# Altium PCB rs422-rs485.PcbDoc (continued)
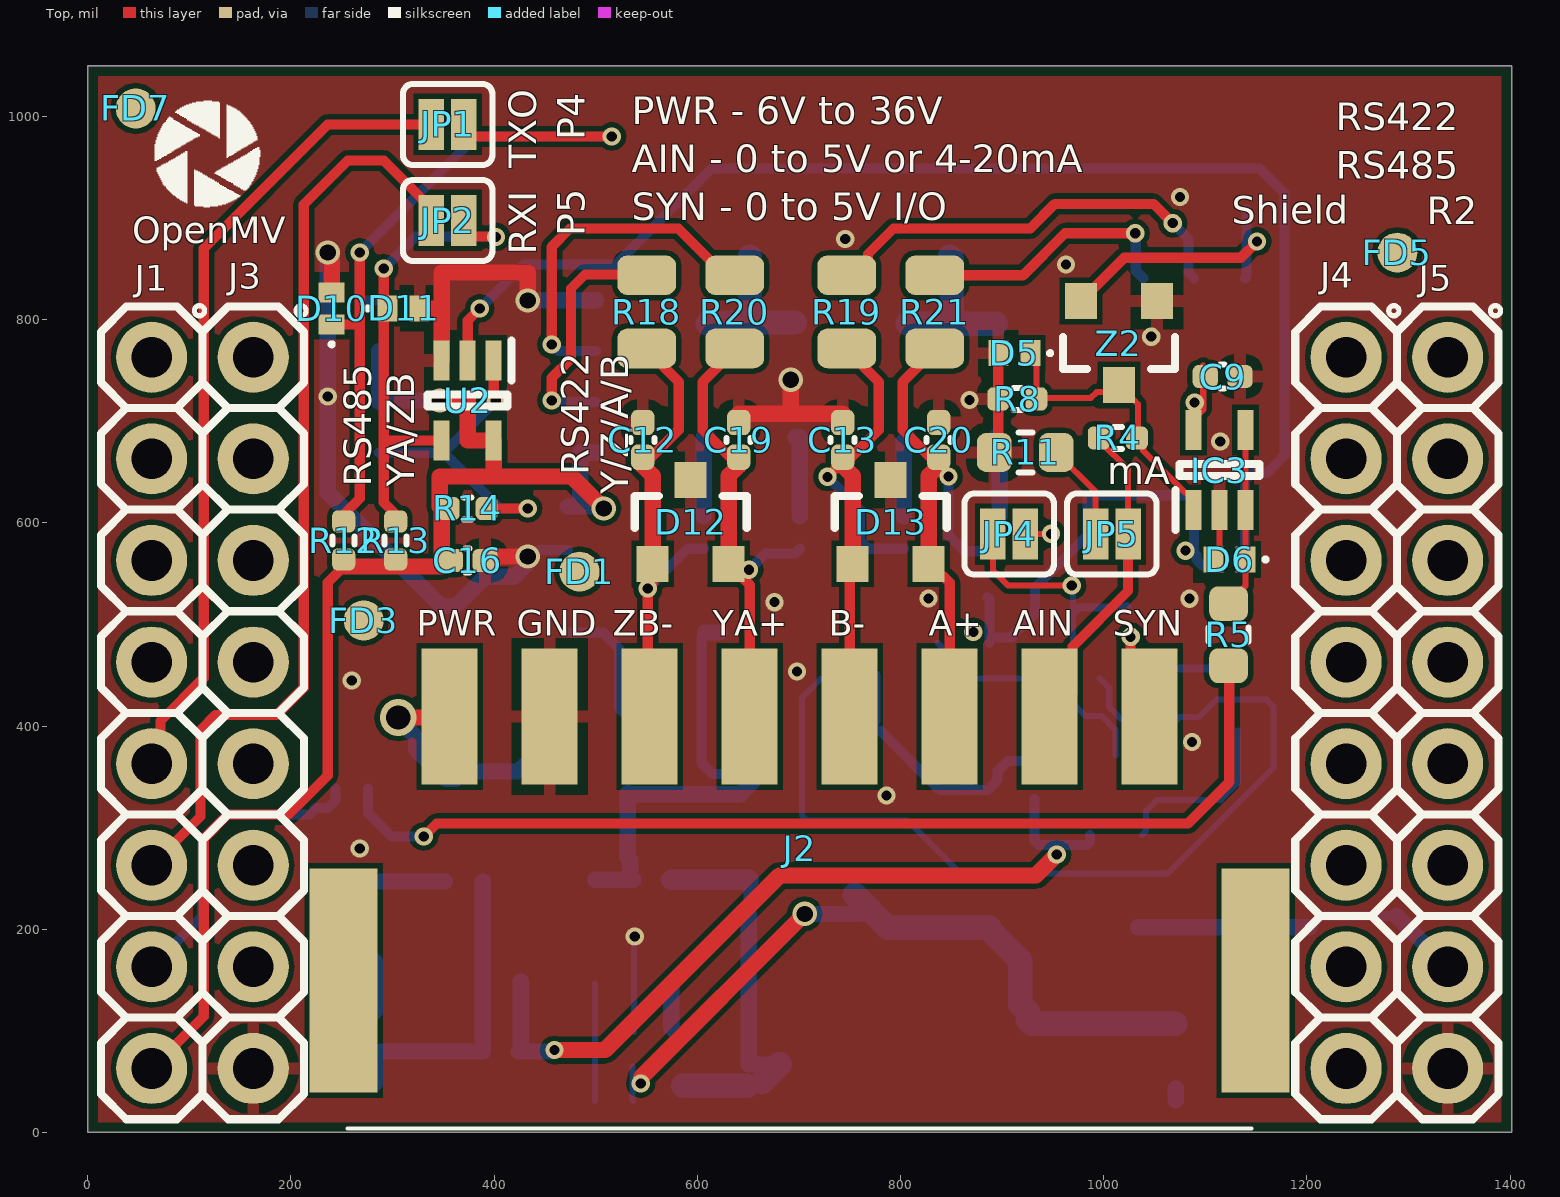
[diagram p0: Top view]
## Components (designator, comment, footprint, x,y, rotation, side; value= is the part's Value field where it differs from the comment)
C1 "0.1uF" 0402-CAP 584.16,67.55 r270 bottom
C2 "100pF" 0402-CAP 519,65 r180 bottom
C3 "22uF" 0805 282.58,83.68 r90 bottom
C4 "22uF" 0805 388.88,79.74 r0 bottom
C5 "10uF" C0805 654,382 r90 bottom
C6 "22uF" 0805 936.87,71.74 r90 bottom
C7 "22uF" 0805 1070.72,71.74 r90 bottom
C8 "22uF" 0805 1003.8,71.74 r90 bottom
C9 "0.1uF" 0402-CAP 1117,744 r180 top
C10 "0.1uF" 0402-CAP 868.66,526.51 r0 bottom
C11 "0.1uF" 0402-CAP 918.87,283 r0 bottom
C12 "100pF" 0402-CAP 546.29,681.72 r270 top
C13 "100pF" 0402-CAP 743.14,681.72 r270 top
C14 "220pF" 0402-CAP 677.17,862.2 r0 bottom
C15 "220pF" 0402-CAP 822.83,862.2 r180 bottom
C16 "0.1uF" 0402-CAP 374.02,562.99 r0 top
C17 "0.1uF" 0402-CAP 1123.54,908.7 r180 bottom
C18 "0.1uF" 0402-CAP 472.44,590.55 r270 bottom
C19 "100pF" 0402-CAP 640.78,681.72 r90 top
C20 "100pF" 0402-CAP 837.63,681.72 r90 top
D1 "FM240A" DIOM5025X231N 953,202 r180 bottom
D2 "CPDQT5V0HE-HF" CPDQT5V0HEHF 227.46,71.87 r270 bottom
D3 "FM240A" DIOM5025X231N 762,67 r0 bottom
D4 "SMAJ40CAE3_TR13" SMAJ40CAE3TR13 362.2,433.07 r270 bottom
D5 "CPDQT5V0HE-HF" CPDQT5V0HEHF 912,767 r180 top
D6 "CPDQT5V0HE-HF" CPDQT5V0HEHF 1124,564 r180 top
D7 "CPDQT5V0HE-HF" CPDQT5V0HEHF 757,403 r180 bottom
D8 "CPDQT5V0HE-HF" CPDQT5V0HEHF 1039,523 r0 bottom
D9 "CPDQT5V0HE-HF" CPDQT5V0HEHF 1081,343 r90 bottom
D10 "CPDQT5V0HE-HF" CPDQT5V0HEHF 240.16,811.02 r90 top
D11 "CPDQT5V0HE-HF" CPDQT5V0HEHF 311.02,811.02 r0 top
D12 "PEC33712C2A_R1_00001" SOT23-3 593.53,599.04 r0 top
D13 "PEC33712C2A_R1_00001" SOT23-3 790.38,599.04 r0 top
FD1 "FIDUCIAL1X2" FIDUCIAL-1X2 484.14,551.95 r0 top
FD2 "FIDUCIAL1X2" FIDUCIAL-1X2 1146.58,125.85 r180 bottom
FD3 "FIDUCIAL1X2" FIDUCIAL-1X2 271.65,503.94 r0 top
FD4 "FIDUCIAL1X2" FIDUCIAL-1X2 271.65,503.94 r180 bottom
FD5 "FIDUCIAL1X2" FIDUCIAL-1X2 1289,866 r0 top
FD6 "FIDUCIAL1X2" FIDUCIAL-1X2 1354.33,1007.87 r180 bottom
FD7 "FIDUCIAL1X2" FIDUCIAL-1X2 47.24,1007.87 r0 top
FD8 "FIDUCIAL1X2" FIDUCIAL-1X2 47.24,1007.87 r180 bottom
IC1 "TPS613222ADBVR" SOT95P280X145-5N 388.88,197.85 r270 bottom
IC2 "AP64060WU-7" SOT95P280X100-6N 536.91,197.47 r90 bottom
IC3 "LM321LVIDCKR" SOT65P210X110-5N 1114,652 r90 top
IC4 "74LVC1G07GW,125" SOT65P212X110-5N 862,443 r90 bottom
IC5 "THVD1426DR" SOIC127P600X175-8N 393.7,744.09 r0 bottom
IC6 "THVD1426DR" SOIC127P600X175-8N 1064,734 r90 bottom
J1 "SSQ-108-03-T-S" HDR_1X8 62.99,762.99 r0 top
J2 "1771088" 1771088 700.79,409.45 r0 top locked
J3 "SSQ-108-03-T-S" HDR_1X8 162.99,762.99 r0 top
J4 "SSQ-108-03-T-S" HDR_1X8 1238.58,762.99 r0 top
J5 "SSQ-108-03-T-S" HDR_1X8 1338.58,762.99 r0 top
JP1 "JUMPER-SMT_2_NC_PASTE_SILK" SMT-JUMPER_2_NC_PASTE_SILK 354.33,992.13 r0 top
JP2 "JUMPER-SMT_2_NC_PASTE_SILK" SMT-JUMPER_2_NC_PASTE_SILK 354.33,897.64 r0 top
JP3 "JUMPER-SMT_2_NC_PASTE_SILK" SMT-JUMPER_2_NC_PASTE_SILK 259.84,338.58 r0 bottom
JP4 "JUMPER-SMT_2_NC_PASTE_SILK" SMT-JUMPER_2_NC_PASTE_SILK 907,589 r180 top
JP5 "JUMPER-SMT_2_NO_SILK" SMT-JUMPER_2_NO_SILK 1008,589 r0 top
JP6 "JUMPER-SMT_3_1-NC_PASTE_SILK" SMT-JUMPER_3_1-NC_PASTE_SILK 1028,447 r180 bottom
JP7 "JUMPER-SMT_2_NC_PASTE_SILK" SMT-JUMPER_2_NC_PASTE_SILK 606.3,590.55 r270 bottom
JP8 "JUMPER-SMT_2_NC_PASTE_SILK" SMT-JUMPER_2_NC_PASTE_SILK 803.15,590.55 r270 bottom
JP9 "JUMPER-SMT_2_NC_PASTE_SILK" SMT-JUMPER_2_NC_PASTE_SILK 700.79,590.55 r90 bottom
JP10 "JUMPER-SMT_2_NC_PASTE_SILK" SMT-JUMPER_2_NC_PASTE_SILK 897.64,590.55 r90 bottom
L1 "NRS4018T100MDGJ" NRS4018T100MDGJ 705.71,215.11 r0 bottom
L2 "MAKK2016T2R2M" INDC2016X100N 270.77,213.6 r90 bottom
Q1 "SSM3J356R,LF" SOTFL95P240X88-3N 485.55,370.19 r180 bottom
R1 "133K" 0402-RES 518,31 r180 bottom
R2 "22.1K" 0402-RES 519,99 r0 bottom
R3 "100K" 0402-RES 574,398 r270 bottom
R4 "51K" 0402-RES 1013.9,683.59 r180 top
R5 "470" R0603 1123,489 r270 top
R6 "100K" 0402-RES 932,347 r90 bottom
R7 "100K" 0402-RES 951,511 r0 bottom
R8 "100K" 0402-RES 915,722 r180 top
R9 "470" R0603 1132,427 r90 bottom
R10 "10K" 0402-RES 756.83,450.11 r180 bottom
R11 "240" R0603 923.89,669.29 r0 top
R12 "10K" 0402-RES 251.97,582.68 r90 top
R13 "10K" 0402-RES 303.15,582.68 r90 top
R14 "10K" 0402-RES 374.02,614.17 r0 top
R15 "10K" 0402-RES 1115.49,558.35 r0 bottom
R16 "60" R1206 610.24,740.16 r270 bottom
R17 "60" R1206 807.09,740.16 r270 bottom
R18 "10" R0805 550.23,807.71 r270 top
R19 "10" R0805 747.08,807.71 r270 top
R20 "10" R0805 636.84,807.71 r270 top
R21 "10" R0805 833.69,807.71 r270 top
R22 "60" R1206 696.85,740.16 r90 bottom
R23 "60" R1206 893.7,740.16 r90 bottom
U1 "74LVC1G17SE-7" SOT65P210X110-5N 1012,332 r270 bottom
U2 "74AHC1G08SE-7" SOT65P210X110-5N 374.02,720.47 r270 top
Z1 "MMSZ5231B-7-F" SOD3716X145N 541,492 r180 bottom
Z2 "BAT54S_R1_00001" SOT23-3 1015,779 r180 top
Z3 "MMSZ5231B-7-F" SOD3716X145N 810,337 r180 bottom

## Footprints (in the part's own frame and the unit in brackets; to place one, negate y for a bottom-side part, rotate by r counter-clockwise, add the part's x,y. Pads: shape width x height; smd on the part's side, far side on the other; paste and mask are expansions set on the pad)
0402-CAP [mm] "Chip Capacitor, 2-Leads, Body  0402 (in) 1005 (mm), IPC Medium Density"
  rrect52% 0.63x0.58 smd mask+0.05: 1(-0.435,0) 2(0.435,0)
  silkscreen extent -0.05,-0.3 0.05,0.3, body extent -0.5,-0.25 0.5,0.25, height 0.5
0402-RES [mm] "Chip Resistor, 2-Leads, Body  0402 (in) 1005 (mm), IPC Medium Density"
  rrect51% 0.55x0.58 smd mask+0.05: 1(-0.475,0) 2(0.475,0)
  silkscreen extent -0.1,-0.28 0.1,0.28, body extent -0.5,-0.25 0.5,0.25, height 0.34
0805 [mil] "0805"
  rect 31.5x47.24 smd: 1(-35.43,0) 2(35.43,0)
  body extent -39,-25 39,25, height 49
1771088 [mm] "1771088"
  rect 1.4x3.4 smd: 1(-8.75,0) 2(-6.25,0) 3(-3.75,0) 4(-1.25,0) 5(1.25,0) 6(3.75,0) 7(6.25,0) 8(8.75,0)
  rect 1.7x5.6 smd: 9(-11.4,-6.6) 10(11.4,-6.6)
  silkscreen extent -11.3,-10.3 11.3,-10.3, body extent -12.2,-10.17 12.2,0.83, height 5.1
C0805 [mil] "C0805"
  rect 51.18x59.06 smd: 1(-37.4,0) 2(37.4,0)
  body extent -39,-25 39,25, height 49
CPDQT5V0HEHF [mm] "CPDQT5V0HEHF"
  rect 0.5x0.65 smd: 1(-0.4,0) 2(0.4,0)
  silkscreen extent -0.95,-0.05 -0.85,0.05, body extent -0.5,-0.25 0.5,0.25, height 0.34
DIOM5025X231N [mil] "DIOM5025X231N"
  rect 88.58x62.99 smd: 1(-80.71,0) 2(80.71,0)
  silkscreen extent -138,-49 98,49, body extent -89,-49 89,49, height 79
FIDUCIAL-1X2 [mm] "FIDUCIAL-1X2"
  rrect100% 1x1 smd paste+0: 1(0,0)
HDR_1X8 [mil]
  round 70 hole 40: 1(0,0) 2(0,-100) 3(0,-200) 4(0,-300) 5(0,-400) 6(0,-500) 7(0,-600) 8(0,-700)
  silkscreen extent -50,-750 52,51, body extent -50,-750 50,50, height 335
INDC2016X100N [mm] "INDC2016X100N"
  rrect50% 0.7x1.8 smd: 1(-0.8,0) 2(0.8,0)
  silkscreen extent -0.3,-0.9 0.3,0.9, body extent -1,-0.8 1,0.8, height 1
NRS4018T100MDGJ [mm] "NRS4018T100MDGJ"
  rect 1.2x3.7 smd: 1(-1.4,0) 2(1.4,0)
  silkscreen extent -0.6,-2 0.6,2, body extent -2,-2 2,2, height 1.8
R0603 [mm] "R0603"
  rrect51% 0.87x0.97 smd mask+0.05: 1(-0.8,0) 2(0.75,0)
  silkscreen extent -0.2,-0.5 0.15,0.5, body extent -0.8,-0.4 0.8,0.4, height 0.45
R0805 [mm] "Chip Resistor - Body 0805 imperial, 2.0x1.2mm, IPC Medium Density"
  rrect51% 0.99x1.47 smd: 1(-0.915,0) 2(0.915,0)
  body extent -1,-0.62 1,0.63, height 0.58
R1206 [mm] "IPC 7351 1206"
  rrect50% 1x2 smd: 1(-1.5,0) 2(1.5,0)
  silkscreen extent -0.7,-1 0.7,1, body extent -1.55,-0.8 1.55,0.8, height 0.55
SMAJ40CAE3TR13 [mm] "SMAJ40CAE3TR13"
  rect 1.9x2.39 smd: 1(-2.16,0) 2(2.16,0)
  silkscreen extent -3.8,-1.34 0.5,1.34, body extent -2.65,-1.47 2.63,1.45, height 2.41
SMT-JUMPER_2_NC_PASTE_SILK [mil] "SMT-JUMPER_2_NC_PASTE_SILK"
  rect 25x50 smd paste+0: 1(-16,0) 2(16,0)
  silkscreen extent -44,-40 44,40
SMT-JUMPER_2_NO_SILK [mil] "SMT-JUMPER_2_NO_SILK"
  rect 25x50 smd paste+0: 1(-16,0) 2(16,0)
  silkscreen extent -44,-40 44,40
SMT-JUMPER_3_1-NC_PASTE_SILK [mil] "SMT-JUMPER_3_1-NC_PASTE_SILK"
  rect 25x50 smd paste+0: 1(-32,0) 2(0,0) 3(32,0)
  silkscreen extent -60,-40 60,40
SOD3716X145N [mil] "SOD3716X145N"
  rect 47.24x29.53 smd: 1(-66.93,0) 2(66.93,0)
  silkscreen extent -91,-31 53,31, body extent -76,-27 76,27, height 32
SOIC127P600X175-8N [mm] "SOIC127P600X175-8N"
  rect 1.528x0.65 smd: 1(-2.711,1.905) 2(-2.711,0.635) 3(-2.711,-0.635) 4(-2.711,-1.905) 5(2.711,-1.905) 6(2.711,-0.635) 7(2.711,0.635) 8(2.711,1.905)
  silkscreen extent -3.47,-2.45 1.6,2.58, body extent -3.1,-2.45 3.1,2.45, height 1.75
SOT23-3 [mil] "SOT23-3"
  rect 31.5x35.43 smd: 1(-37.4,-39.37) 2(37.4,-39.37) 3(0,43.31)
  silkscreen extent -55,-4 55,28, body extent -59,-56 59,56, height 47
SOT65P210X110-5N [mm] "SOT65P210X110-5N"
  rect 1x0.4 smd: 1(-1,0.65) 2(-1,0) 3(-1,-0.65) 4(1,-0.65) 5(1,0.65)
  silkscreen extent -1.5,-1 0.15,1.1, body extent -1.02,-1 1.07,1, height 0.96
SOT65P212X110-5N [mm] "SOT65P212X110-5N"
  rect 1.05x0.4 smd: 1(-1,0.65) 2(-1,0) 3(-1,-0.65) 4(1,-0.65) 5(1,0.65)
  silkscreen extent -1.53,-1.02 0.12,1.1, body extent -1.02,-1 1.07,1, height 0.96
SOT95P280X100-6N [mil] "SOT95P280X100-6N"
  rect 41.34x21.65 smd: 1(-51.18,37.4) 2(-51.18,0) 3(-51.18,-37.4) 4(51.18,-37.4) 5(51.18,0) 6(51.18,37.4)
  silkscreen extent -72,-57 17,62, body extent -56,-59 56,59, height 44
SOT95P280X145-5N [mil] "SOT95P280X145-5N"
  rect 47.24x23.62 smd: 1(-49.21,37.4) 2(-49.21,0) 3(-49.21,-37.4) 4(49.21,-37.4) 5(49.21,37.4)
  silkscreen extent -73,-57 12,59, body extent -55,-59 55,59, height 46
SOTFL95P240X88-3N [mm] "SOTFL95P240X88-3N"
  rect 0.575x0.62 smd: 1(-1.188,0.95) 2(-1.188,-0.95) 3(1.188,0)
  silkscreen extent -1.47,-1.45 0.55,1.51, body extent -1.42,-1.5 1.42,1.5, height 1.11

## Part data
C1 C9 C10 C11 C16 C17 C18: library part CAP0402-CAP, "CapacitorStandard 0603 ceramic capacitor, and 0.1\" leaded capacitor.", MPN=GRM155R71H104KE14D, DeviceName=0402-CAP, DeviceSetName=CAP, GateName_1=G$1, LibraryName=sfe, SymbolName_1=CAP
C2 C12 C13 C19 C20: library part CAP0402-CAP, "CapacitorStandard 0603 ceramic capacitor, and 0.1\" leaded capacitor.", MPN=CC0402JRNPO9BN101, DeviceName=0402-CAP, DeviceSetName=CAP, GateName_1=G$1, LibraryName=sfe, SymbolName_1=CAP
C3 C4 C6 C7 C8: library part 22UF-0805-6.3V-20%, "22ÂµF ceramic capacitors    A capacitor is a passive two-terminal electrical component used to store electrical energy temporarily in an electric field.", MPN=CL21A226MQQNNNE, DeviceName=-0805-6.3V-20%, DeviceSetName=22UF, GateName_1=G$1, LibraryName=SparkFun-Capacitors, PROD_ID=CAP-08402, SymbolName_1=CAP
C5: library part C-EUC0805, "CAPACITOR, European symbol", MPN=GRM21BR61H106KE43K, DeviceName=C0805, DeviceSetName=C-EU, GateName_1=G$1, LibraryName=rcl, POPULARITY=88, SPICEPREFIX=C, SymbolName_1=C-EU
C14 C15: library part CAP0402-CAP, "CapacitorStandard 0603 ceramic capacitor, and 0.1\" leaded capacitor.", MPN=0402B221K500CT, DeviceName=0402-CAP, DeviceSetName=CAP, GateName_1=G$1, LibraryName=sfe, SymbolName_1=CAP
D1 D3: "Diodes - General Purpose, Power, Switching GP Si Rectifier SMB,2A,40V   Source:  Datasheet", MANUFACTURER_NAME=Rectron, DeviceSetName=FM240A, GateName_1=G$1, HEIGHT=2.31mm, LibraryName=FM240A, MANUFACTURER_PART_NUMBER=FM240A, MOUSER_PART_NUMBER=583-FM240A, MOUSER_PRICE-STOCK=https://www.mouser.co.uk/ProductDetail/Rectron/FM240A?qs=7pEAo90IqNG7sknZwmLYhQ%3D%3D, MPN=FM240A, SymbolName_1=FM240A
D2 D5 D6 D7 D8 D9 D10 D11: "ESD Suppressors / TVS Diodes DIODE ESD 5VWM 65W 0402/SOD-923F   Source:  Datasheet", MANUFACTURER_NAME="Comchip Technology", DeviceSetName=CPDQT5V0HE-HF, GateName_1=G$1, HEIGHT=0.42mm, LibraryName=CPDQT5V0HE-HF, MANUFACTURER_PART_NUMBER=CPDQT5V0HE-HF, MOUSER_PART_NUMBER=MOUSER_PART_NUMBER, MOUSER_PRICE-STOCK=MOUSER_PRICE-STOCK, MPN=CPDQT5V0HE-HF, SymbolName_1=CPDQT5V0HE-HF
D4: "ESD Suppressors / TVS Diodes TVS   Source:  Datasheet", MANUFACTURER_NAME=Microchip, MANUFACTURER_PART_NUMBER=SMAJ40CAe3/TR13, DeviceSetName=SMAJ40CAE3_TR13, GateName_1=G$1, HEIGHT=3.05mm, LibraryName=SMAJ40CAe3_TR13, MOUSER_PART_NUMBER=494-SMAJ40CAE3/TR13, MOUSER_PRICE-STOCK=https://www.mouser.co.uk/ProductDetail/Microchip-Technology/SMAJ40CAe3-TR13?qs=pU29NIZ4ZwCw3PnlxOleOw%3D%3D, MPN=SMAJ40CAe3/TR13, SymbolName_1=SMAJ40CAE3_TR13
D12 D13: library part PESD1CAN, "CAN bus ESD protection diode    PESD1CAN is used to protect two CAN bus lines from ESD.   Link to datasheet   SparkFun Products: SparkFun CAN-BUS Shield", DeviceSetName=PESD1CAN, GateName_1=G$1, LibraryName=SparkFun-DiscreteSemi, MPN=PEC33712C2A_R1_00001, PROD_ID=DIO-12501, SymbolName_1=PESD1CAN_DIODE
FD1 FD2 FD3 FD4 FD5 FD6 FD7 FD8: "Fiducial Alignment Points    Point-of-reference for pick-and-place machines and other optical instruments.", DeviceName=1X2, DeviceSetName=FIDUCIAL, GateName_1=G$1, LibraryName=SparkFun-Aesthetics, SymbolName_1=FIDUCIAL
IC1: "6-uA Quiescent Current, 1.8-A Switch Current Boost Converter   Source:  Datasheet", MANUFACTURER_NAME="Texas Instruments", DeviceSetName=TPS613222ADBVR, GateName_1=G$1, HEIGHT=1.45mm, LibraryName=TPS613222ADBVR, MANUFACTURER_PART_NUMBER=TPS613222ADBVR, MOUSER_PART_NUMBER=595-TPS613222ADBVR, MOUSER_PRICE-STOCK=https://www.mouser.co.uk/ProductDetail/Texas-Instruments/TPS613222ADBVR?qs=W0yvOO0ixfE4d69WXsn8NQ%3D%3D, MPN=TPS613222ADBVR, SymbolName_1=TPS613222ADBVR
IC2: "Switching Voltage Regulators DCDC Conv HV Buck TSOT26(STD) T&R 3K   Source:  Datasheet", MANUFACTURER_NAME="Diodes Inc.", DeviceSetName=AP64060WU-7, GateName_1=G$1, HEIGHT=1mm, LibraryName=AP64060WU-7, MANUFACTURER_PART_NUMBER=AP64060WU-7, MOUSER_PART_NUMBER=621-AP64060WU-7, MOUSER_PRICE-STOCK=https://www.mouser.co.uk/ProductDetail/Diodes-Incorporated/AP64060WU-7?qs=Li%252BoUPsLEntiZYjFw%252BCbiQ%3D%3D, MPN=AP64060WU-7, SymbolName_1=AP64060WU-7
IC3: "1-Channel industry standard low voltage operational amplifier   Source:  Datasheet", MANUFACTURER_NAME="Texas Instruments", DeviceSetName=LM321LVIDCKR, GateName_1=G$1, HEIGHT=1.1mm, LibraryName=LM321LVIDCKR, MANUFACTURER_PART_NUMBER=LM321LVIDCKR, MOUSER_PART_NUMBER=595-LM321LVIDCKR, MOUSER_PRICE-STOCK=https://www.mouser.co.uk/ProductDetail/Texas-Instruments/LM321LVIDCKR?qs=qSfuJ%252Bfl%2Fd6RcyTOjkRx5Q%3D%3D, MPN=LM321LVIDCKR, SymbolName_1=LM321LVIDCKR
IC4: "74LVC1G07 - Buffer with open-drain output@en-us   Source:  Datasheet", MANUFACTURER_NAME=Nexperia, DeviceSetName=74LVC1G07GW,125, GateName_1=G$1, HEIGHT=1.1mm, LibraryName=74LVC1G07GW_125, MANUFACTURER_PART_NUMBER=74LVC1G07GW,125, MOUSER_PART_NUMBER=771-74LVC1G07GW-G, MOUSER_PRICE-STOCK=https://www.mouser.co.uk/ProductDetail/Nexperia/74LVC1G07GW125?qs=me8TqzrmIYW763Mg%2FG86Uw%3D%3D, MPN=74LVC1G07GW,125, SymbolName_1=74LVC1G07GW,125
IC5 IC6: "RS-422/RS-485 Interface IC 3.3-V to 5-V 12-Mbps half-duplex RS-485 transceiver auto-direction control &plusmn;12-kV IEC ESD   Source:  Datasheet", MANUFACTURER_NAME="Texas Instruments", DeviceSetName=THVD1426DR, GateName_1=G$1, HEIGHT=1.75mm, LibraryName=THVD1426DR, MANUFACTURER_PART_NUMBER=THVD1426DR, MOUSER_PART_NUMBER=595-THVD1426DR, MOUSER_PRICE-STOCK=https://www.mouser.co.uk/ProductDetail/Texas-Instruments/THVD1426DR?qs=Li%252BoUPsLEnvtMAmClTMmaw%3D%3D, MPN=THVD1426DR, SymbolName_1=THVD1426DR
J1 J3 J4 J5: library part HDR_1X8, MANUFACTURER P/N=SSQ-108-03-T-S
J2: "PCB terminal block, nominal current: 6 A, rated voltage (III/2): 160 V, nominal cross section: 0.5 mm?, Number of potentials: 8, Number of rows: 1, Number of positions per row: 8, product range: PTSM 0,5/..-H-SMD, pitch: 2.5 mm, connection method: Push-in spring connection, mounting: SMD soldering, conductor/PCB connection direction: 0 ?, color: black, Pin layout: Linear pad geometry, type of packaging: packed in cardboard   Source:  Datasheet", MANUFACTURER_NAME="Phoenix Contact", DeviceSetName=1771088, GateName_1=G$1, HEIGHT=5.22mm, LibraryName=1771088, MANUFACTURER_PART_NUMBER=1771088, MOUSER_PART_NUMBER=651-1771088, MOUSER_PRICE-STOCK=https://www.mouser.co.uk/ProductDetail/Phoenix-Contact/1771088?qs=Q77YN%2FRrsKIDMojcNKtpFQ%3D%3D, MPN=1771088, SymbolName_1=1771088
JP1 JP2 JP3 JP4 JP7 JP8 JP9 JP10: "Normally closed solder jumper    This jumper has an aperture in the stencil to allow solder paste to bridge the split in the wire so it's normally closed (NC). Wick off the solder to open the connection. Reapply solder to reclose the connection.", DeviceName=_SILK, DeviceSetName=JUMPER-SMT_2_NC_PASTE, GateName_1=G$1, LibraryName=SparkFun-Jumpers, SymbolName_1=SMT-JUMPER_2_NC_PASTE
JP5: "Normally open jumper    This jumper has two pads in close proximity to each other. Apply solder to close the connection.   Round pads are easier to solder for beginners, but are a lot larger.   SparkFun Product that uses the round pads:  SparkFun EL Sequencer", DeviceName=_SILK, DeviceSetName=JUMPER-SMT_2_NO, GateName_1=G$1, LibraryName=SparkFun-Jumpers, SymbolName_1=SMT-JUMPER_2_NO
JP6: "Normally closed solder jumper (1 of 2 connections)    This jumper has an aperture in the stencil to allow solder paste to bridge one of the two connections. One connection is normally closed (NC), while the other is normally open (NO). Wick off the solder to open the connection. Reapply solder to reclose the connection. Apply solder to the other side instead to change the current path.", DeviceName=_SILK, DeviceSetName=JUMPER-SMT_3_1-NC_PASTE, GateName_1=G$1, LibraryName=SparkFun-Jumpers, SymbolName_1=SMT-JUMPER_3_1-NC_PASTE
L1: "Fixed Inductors 4018 10uH 180mOhms +/-20%Tol 1200mA   Source:  Datasheet", MANUFACTURER_NAME="TAIYO YUDEN", DeviceSetName=NRS4018T100MDGJ, GateName_1=G$1, HEIGHT=1mm, LibraryName=NRS4018T100MDGJ, MANUFACTURER_PART_NUMBER=NRS4018T100MDGJ, MOUSER_PART_NUMBER=963-NRS4018T100MDGJ, MOUSER_PRICE-STOCK=https://www.mouser.co.uk/ProductDetail/TAIYO-YUDEN/NRS4018T100MDGJ?qs=PzICbMaShUeiyHfvjt6KEw%3D%3D, MPN=NRS4018T100MDGJ, SymbolName_1=NRS4018T100MDGJ
L2: "INDUCTOR, METAL CORE Check availability", PACKAGE="2016 Taiyo Yuden", AVAILABILITY="In Stock", DeviceSetName=MAKK2016T2R2M, GateName_1=G$1, LibraryName=MAKK2016T2R2M, MF="Taiyo Yuden", MP=MAKK2016T2R2M, MPN=MAKK2016T2R2M, PRICE=None, PURCHASE-URL=https://pricing.snapeda.com/search/part/MAKK2016T2R2M/?ref=eda, SymbolName_1=MAKK2016T2R2M
Q1: "MOSFET Small-signal MOSFET ID: -2A, VDSS: -60V   Source:  Datasheet", MANUFACTURER_NAME=Toshiba, DeviceSetName=SSM3J356R,LF, GateName_1=G$1, HEIGHT=0.88mm, LibraryName=SSM3J356R_LF, MANUFACTURER_PART_NUMBER=SSM3J356R,LF, MOUSER_PART_NUMBER=757-SSM3J356RLF, MOUSER_PRICE-STOCK=https://www.mouser.co.uk/ProductDetail/Toshiba/SSM3J356RLF?qs=lhkzy8lC%252BSsL%2F1yLGjMnQA%3D%3D, MPN=SSM3J356R,LF, SymbolName_1=SSM3J356R,LF
R1: library part RESISTOR0402-RES, "ResistorBasic schematic elements and footprints for 0603, 1206, and PTH resistors.", MPN=RC0402FR-07133KL, DeviceName=0402-RES, DeviceSetName=RESISTOR, GateName_1=G$1, LibraryName=sfe, SymbolName_1=RESISTOR
R2: library part RESISTOR0402-RES, "ResistorBasic schematic elements and footprints for 0603, 1206, and PTH resistors.", MPN=CR0402-FX-2212GLF, DeviceName=0402-RES, DeviceSetName=RESISTOR, GateName_1=G$1, LibraryName=sfe, SymbolName_1=RESISTOR
R3 R6 R7 R8: library part RESISTOR0402-RES, "ResistorBasic schematic elements and footprints for 0603, 1206, and PTH resistors.", MPN=AC0402FR-07100KL, DeviceName=0402-RES, DeviceSetName=RESISTOR, GateName_1=G$1, LibraryName=sfe, SymbolName_1=RESISTOR
R4: library part RESISTOR0402-RES, "ResistorBasic schematic elements and footprints for 0603, 1206, and PTH resistors.", MPN=RC0402JR-0751KL, DeviceName=0402-RES, DeviceSetName=RESISTOR, GateName_1=G$1, LibraryName=sfe, SymbolName_1=RESISTOR
R5 R9: library part R-US_R0603, "RESISTOR, American symbol", MPN=CR0603-FX-4700ELF, DeviceName=R0603, DeviceSetName=R-US_, GateName_1=G$1, LibraryName=rcl, POPULARITY=77, SPICEPREFIX=R, SymbolName_1=R-US
R10 R12 R13 R14 R15: library part RESISTOR0402-RES, "ResistorBasic schematic elements and footprints for 0603, 1206, and PTH resistors.", MPN=AC0402FR-1310KL, DeviceName=0402-RES, DeviceSetName=RESISTOR, GateName_1=G$1, LibraryName=sfe, SymbolName_1=RESISTOR
R11: library part R-US_R0603, "RESISTOR, American symbol", MPN=RK73B1JTTD241J, DeviceName=R0603, DeviceSetName=R-US_, GateName_1=G$1, LibraryName=rcl, POPULARITY=77, SPICEPREFIX=R, SymbolName_1=R-US
R16 R17 R22 R23: library part R-US_R1206, "RESISTOR, American symbol", MPN=RC1206FR-0760R4L, DeviceName=R1206, DeviceSetName=R-US_, GateName_1=G$1, LibraryName=rcl, POPULARITY=19, SPICEPREFIX=R, SymbolName_1=R-US
R18 R19 R20 R21: library part R-US_R0805, "RESISTOR, American symbol", MPN=RK73B2ATTD100J, DeviceName=R0805, DeviceSetName=R-US_, GateName_1=G$1, LibraryName=rcl, POPULARITY=85, SPICEPREFIX=R, SymbolName_1=R-US
U1: "DiodesZetex 74LVC1G17SE-7, Buffer, Push-Pull, Non-Inverting, 1.65  5.5 V, 5-Pin SOT-353   Source:  Datasheet", MANUFACTURER_NAME="Diodes Inc.", DeviceSetName=74LVC1G17SE-7, GateName_1=G$1, HEIGHT=1.1mm, LibraryName=74LVC1G17SE-7, MANUFACTURER_PART_NUMBER=74LVC1G17SE-7, MOUSER_PART_NUMBER=621-74LVC1G17SE-7, MOUSER_PRICE-STOCK=https://www.mouser.co.uk/ProductDetail/Diodes-Incorporated/74LVC1G17SE-7?qs=FRHfhEBFk1dzIcstjqNcyA%3D%3D, MPN=74LVC1G17SE-7, SymbolName_1=74LVC1G17SE-7
U2: "DiodesZetex 74AHC1G08SE-7, AND 2 Input AND Schmitt Trigger, 2  5.5 V, 5-Pin SOT-353   Source:  Datasheet", MANUFACTURER_NAME="Diodes Inc.", DeviceSetName=74AHC1G08SE-7, GateName_1=G$1, HEIGHT=1.1mm, LibraryName=74AHC1G08SE-7, MANUFACTURER_PART_NUMBER=74AHC1G08SE-7, MOUSER_PART_NUMBER=621-74AHC1G08SE-7, MOUSER_PRICE-STOCK=https://www.mouser.co.uk/ProductDetail/Diodes-Incorporated/74AHC1G08SE-7?qs=aOs975IaWlmovERWZp4LeQ%3D%3D, MPN=74AHC1G08SE-7, SymbolName_1=74AHC1G08SE-7
Z1 Z3: "Zener Diode 5.1V 5% 500mW SOD123 Diodes Inc MMSZ5231B-7-F Zener Diode, 5.1V 5% 0.5 W SMT 2-Pin SOD-123   Source:  Datasheet", MANUFACTURER_NAME="Diodes Inc.", DeviceSetName=MMSZ5231B-7-F, GateName_1=G$1, HEIGHT=1.45mm, LibraryName=MMSZ5231B-7-F, MANUFACTURER_PART_NUMBER=MMSZ5231B-7-F, MOUSER_PART_NUMBER=621-MMSZ5231B-F, MOUSER_PRICE-STOCK=https://www.mouser.co.uk/ProductDetail/Diodes-Incorporated/MMSZ5231B-7-F?qs=2ygBApjwyeMh7Sf0YL1qSw%3D%3D, MPN=MMSZ5231B-7-F, SymbolName_1=MMSZ5231B-7-F

## Via types
v1: diameter 18, hole 10, Top to Bottom, tented both sides, 42 vias
v2: diameter 24, hole 16, Top to Bottom, tented both sides, 7 vias
v3: diameter 36, hole 24, Top to Bottom, tented both sides, 1 vias

## Nets (pads, with @x,y where several pads share a name; then routed paths per layer and width w, separated by ;. In a path a pad name is that pad's centre, name@x,y a point inside that pad or via, vN(x,y) a via of type N, cw(c..) or ccw(c..) an arc to the next point about the centre after c; other vN are vias at no path point)
A: C20.1 D13.2 J2.6 JP10.1 R21.2 | length 534.2
  Top w10: D13.2@827.79,568 827.79,557.7 838.53,546.96 842.57,546.96 848.43,541.1 J2.6 ; R21.2@833.69,770.29 802.19,738.8 802.19,691.55 833.4,660.36 837.63,656.12 847.25,646.5 v1(847.25,645.62)
  Top w16: D13.2@827.79,568 827.79,646.28 C20.1@837.63,656.12
  Bottom w10: v1(847.25,645.62) 847.25,596.86 846.84,596.45 846.84,588.16 863,572 895.09,572 JP10.1
A_J: JP10.2 R23.1 | length 79.3
  Bottom w16: R23.1@893.7,684.17 897.64,680.24 JP10.2
AIN: J2.7 JP5.2 R4.2 | length 316
  Top w6: R4.2@996.3,682 996.3,680.54 1024,652.83 JP5.2
  Top w10: J2.7 969.41,432.01 969.41,478.41 1024,533 JP5.2
AIN_INT: D5.1 IC3.1 R4.1 R8.1 Z2.3 | length 279
  Top w6: D5.1 933.7,761.05 R8.1 ; R8.1@938.7,723 987.24,723 993,728.76 993.09,728.67 Z2.3@999.85,728.67 ; Z2.3@1002.83,729.25 1002.25,728.67 Z2.3@999.84,728.67 ; Z2.3@1008.33,728.67 1002.83,728.67 Z2.3@999.85,728.67 ; Z2.3 1015,733.73 1027.75,720.98 1029.71,720.98 1033.7,716.99 1033.7,682 1038.97,676.73 1038.97,671.03 1080.68,629.32 1083.54,629.32 1088.41,624.44 IC3.1
AIN_OUT: D6.1 IC3.3 IC3.4 R5.1 | length 177.9
  Top w6: R5.1 1123,521.39 1139.75,538.14 D6.1 1139.75,691.21 IC3.4
AIN_S: JP5.1 R11.2 | length 96.3
  Top w6: R11.2 992,630.7 JP5.1
B: C13.2 D13.1 J2.5 JP8.2 R19.2 | length 533.4
  Top w10: v1(728.2,645.27) 739.06,656.12 743.14,656.12 778.57,691.55 778.57,738.8 R19.2@747.08,770.29 ; J2.5 D13.1@750,558.66
  Top w16: C13.2@743.14,656.12 752.98,646.28 D13.1
  Bottom w10: v1(728.2,645.27) 759.84,613.63 759.84,582.68 767.97,574.55 JP8.2
B_J: JP8.1 R17.2 | length 79.3
  Bottom w16: JP8.1 803.15,680.24 R17.2@807.09,684.17
EXT_VIN: D4.2 J2.1 Q1.3 | length 226.7
  Top w10: J2.1@355.28,408.43 J2.1
  Top w16: v3(305.74,408.43) J2.1@355.28,408.43
  Bottom w16: v3(305.74,408.43) 305.74,406.48 323.15,389.06 323.15,377.43 352.56,348.03 D4.2 369.46,355.29 423.87,355.29 434.57,365.99 435.46,365.99 438.78,369.31 Q1.3
EXT_VIN_BST: C1.1 IC2.1 | length 57.2
  Bottom w16: IC2.1 574.32,102.98 C1.1@584.16,93.14
EXT_VIN_FB: C2.2 IC2.3 R1.2 R2.1 | length 115.4
  Bottom w6: R1.2 499.51,31.21 499.51,93.14 IC2.3
EXT_VIN_G: Q1.1 R3.1 Z1.2 | length 171.5
  Bottom w10: Z1.2 507.59,492 522.86,476.73 522.86,417.94 Q1.1@532.32,408.48 ; Q1.1 Q1.1@532.32,408.48 ; R3.1@571.98,417.32 543.03,417.32 540.51,414.8 538.64,414.8 Q1.1@532.32,408.48
EXT_VIN_INT: C5.1 IC2.4 IC2.5 Q1.2 Z1.1 | length 452.8
  Bottom w10: Z1.1 604,488.07 604,364 615.33,352.67 645.93,352.67 C5.1
  Bottom w16: IC2.4 IC2.5 534.09,251.47 534.09,268.1 531.5,270.69 Q1.2@531.5,333.8 ; Q1.2 642.2,332.8 C5.1 ; Z1.1 Z1.1@621.71,492
EXT_VIN_OUT: C2.1 C6.2 C7.2 C8.2 D1.2 L1.2 R1.1 | length 722.6
  Top w16: v1(544.29,48.16) 544.67,48.55 544.67,54.07 v2(705.71,215.11)
  Bottom w6: C2.1 536.13,31.57 R1.1
  Bottom w16: v2(705.71,215.11) L1.2
  Bottom w24: L1.2@755.01,234.01 787.26,201.76 787.26,201.66 887.65,201.66 887.65,199.44 917.8,169.28 917.8,126.24 925.25,118.79 925.25,110.92 929,107.17 C8.2 C7.2
EXT_VIN_SW: C1.2 D3.1 IC2.6 L1.1 | length 376.7
  Bottom w10: L1.1 L1.1@650.59,248.65
  Bottom w16: L1.1 650.59,67 D3.1
  Bottom w20: IC2.6 L1.1@650.59,248.65
  Bottom w24: C1.2@586.16,45.96 D3.1@649.15,45.96 ; D3.1@663.58,49.28 D3.1
GND: C3.1 C4.1 C5.2 C6.1 C7.1 C8.1 C9.1 C10.1 C11.1 C12.1 C13.1 C14.2 C15.2 C16.2 C17.2 C18.2 C19.2 C20.2 D2.2 D3.2 D4.1 D5.2 D6.2 D7.2 D8.2 D9.2 D10.2 D11.2 D12.3 D13.3 IC1.2 IC2.2 IC3.2 IC4.3 IC5.5 IC6.5 J2.2 J3.8 J5.8 R2.2 R3.2 R8.2 R11.1 U1.3 U2.3 Z2.1 Z3.2 | length 1663.7
  Top w6: D6.2 1114,569.75 IC3.2
  Top w10: R11.1 896.3,673.2 R8.2 896.25,722.05 D5.2
  Top w16: v2(236.22,866.14) 240.16,862.2 D10.2 ; D11.2 348.43,811.02 ; U2.3 348.43,811.02 ; C16.2@399.61,562.99 403.54,566.93 v2(433.07,566.93) ; v2(433.07,818.9) 433.07,846.46 348.43,846.46 348.43,811.02 ; C19.2@640.78,707.3 688.02,707.3 ; v2(691.96,740.77) 691.96,711.25 688.02,707.3 ; C13.1@743.14,707.3 688.02,707.3
  Bottom w6: R2.2 537.7,192.17 v1(538.5,192.97)
  Bottom w10: v2(433.07,566.93) 436.86,566.93 443.35,573.42 C18.2
  Bottom w16: D2.2 C3.1@282.58,56.12 ; v2(236.22,866.14) v1(236.22,724.41) 236.22,629.92 348.03,518.11 D4.1 391.09,547 419.7,547 431.54,558.84 431.54,565.4 v2(433.07,566.93) ; C3.1 C3.1@282.58,56.12 ; IC1.2 388.88,79.74 C4.1 282.58,79.74 C3.1@282.58,56.12 ; v2(433.07,818.9) 433.27,819.09 IC5.5 ; C7.1@1070.87,31.5 C7.1@1070.87,43.31
  other v1: 267.72,279.53 786.32,331.6 1086.98,384.42 259.84,444.88 698.19,453.62 676,522 827.58,525.49 1084.47,525.43 1114.8,680.08 868,721 1046.84,783.34 963,854.3 745.71,879.37 1075.08,920.71
P6_ADC: JP3.2 R5.2 | length 1015.2
  Top w10: v1(330.71,291.34) 343.37,304 1082.81,304 1123.66,344.85 R5.2@1123.66,456.2
  Bottom w10: JP3.2 275.84,314.71 299.21,291.34 v1(330.71,291.34) v1@330.71,291.63
P6_ADC_INT: J1.7 JP3.1 | length 304.5
  Bottom w10: J1.7 112.6,212.6 112.6,287.6 137.99,312.99 218.25,312.99 224.48,319.22 236.34,319.22 243.84,326.72 JP3.1
P10_FSYNC: D8.1 IC4.4 JP4.2 R7.2 U1.2 | length 531.4
  Top w6: JP4.2 891,553.19 905.9,538.29 v1(968.64,538.29)
  Bottom w6: IC4.4 839.83,478.95 839.83,456.52 849.35,447 969.7,447 ; v1(968.64,538.29) 969.7,537.23 R7.2 969.7,447 ; U1.2 1011.46,371.91 1011.46,396.54 998,410 982,410 969.7,422.3 969.7,447
  Bottom w8: R7.2 975.28,516.58 1021.83,516.58 D8.1@1023.25,518
P10_FSYNC_INT: J5.3 JP4.1 | length 447.1
  Top w6: JP4.1 923.18,589.18 v1(948.06,589.18)
  Layer 3 w6: v1(948.06,589.18) 972.88,614 1287.57,614 J5.3
RA: IC5.1 R14.2 U2.1 | length 315
  Top w10: R14.2@399.61,614.17 v1(433.07,614.17) ; U2.1 399.61,722.44 v1(401.57,720.47)
  Bottom w10: IC5.1 350.59,669.09 ; v1(401.57,720.47) 401.57,720.08 350.59,669.09 ; v1(433.07,614.17) 405.51,614.17 350.59,669.09
RB: IC6.1 R15.2 U2.2 | length 1307.9
  Top w10: U2.2 374.02,799.21 v1(385.83,811.02)
  Bottom w10: v1(385.83,811.02) 429.13,854.33 519.68,854.33 614.15,948.79 1153.69,948.79 1178,924.48 1178,666.27 1160.94,649.21 1146.8,649.21 1139,641.41 IC6.1 1139,563.16 R15.2
RS232_RXI_INT: J1.6 JP2.1 | length 922.7
  Top w10: J1.6 111.02,311.02 111.02,396.02 126,411 186,411 212.6,437.6 212.6,913.39 255.91,956.69 291.34,956.69 338.33,909.7 JP2.1
RS232_TXO_INT: J1.5 JP1.1 | length 803
  Top w10: J1.5 71.73,371.73 71.73,404.96 114.17,447.41 114.17,870.08 236.22,992.13 JP1.1
RS422_A: IC6.6 R21.1 | length 262
  Top w10: R21.1 889.27,843.73 920.73,843.73 962,885 v1(1031,885)
  Bottom w10: v1(1031,885) 1031.61,884.39 1031.61,848.12 IC6.6
RS422_B: IC6.7 R19.1 | length 424.8
  Top w10: R19.1 753.85,843.73 767.97,857.84 767.97,864.62 793.11,889.76 927.76,889.76 952,914 1049,914 v1(1068,895)
  Bottom w10: v1(1068,895) 1083.59,879.41 1083.59,846.14 IC6.7
RS422_RXI: D11.1 JP2.2 R13.2 U2.4 | length 476.5
  Top w10: v1(291.34,850.39) D11.1@291.34,807.09 ; D11.1 D11.1@291.34,807.09 ; R13.2@303.15,608.27 291.34,620.08 291.34,681.1 ; U2.4 291.34,681.1 ; JP2.2 370.33,889.39 377.83,881.89 401.4,881.89 v1(401.86,881.43) ; 291.34,681.1 D11.1@291.34,807.09
  Bottom w10: v1(291.34,850.39) 322.83,881.89 401.4,881.89 v1(401.86,881.43)
RS422_S: C15.1 R17.1 R23.2 | length 153.5
  Bottom w24: R17.1@807.09,796.14 850.39,796.14 ; C15.1@848.43,862.2 850.39,860.24 850.39,796.14 ; R23.2@893.7,796.14 850.39,796.14
RS422_TXO: D10.1 IC5.4 JP1.2 R12.2 | length 811.2
  Top w10: D10.1 267.72,795.28 ; R12.2@251.97,608.27 267.72,624.02 267.72,795.28 ; v1(267.72,866.14) 267.72,795.28 ; JP1.2 370.33,980.32 v1(515.75,980.32)
  Bottom w10: IC5.4 286.97,818.9 267.72,818.9 v1(267.72,866.14) 381.89,980.32 v1(515.75,980.32)
RS422_Y_RS485_A: IC5.6 R20.1 | length 339.3
  Top w10: v1(456.69,775.59) 456.69,871.69 474.76,889.76 581.24,889.76 R20.1@627,844
  Bottom w10: v1(456.69,775.59) 463.19,769.09 IC5.6
RS422_Z_RS485_B: IC5.7 R18.1 | length 242.7
  Top w10: v1(456.69,720.47) 456.69,742.69 475.69,761.69 475.69,830.69 489.49,844.49 R18.1@550.23,844.49
  Bottom w10: v1(456.69,720.47) 458.07,719.09 IC5.7
RS485_S: C14.1 R16.1 R22.2 | length 156.6
  Bottom w16: R22.2@695.75,797.24 R22.2@696.85,796.14
  Bottom w24: R16.1@610.24,796.14 611.34,797.24 R22.2@661.42,797.24 ; C14.1@651.57,862.2 651.57,807.09 R22.2@661.42,797.24 ; R22.2@695.75,797.24 R22.2@661.42,797.24
SW: IC1.1 L2.2 | length 80.8
  Bottom w16: L2.2@270.77,246.94 351.36,246.94 IC1.1
SYNC: J2.8 JP6.2 | length 127.6
  Top w10: v1(1026.52,487.83) 1026.52,428.2 J2.8
  Bottom w10: v1(1026.52,487.83) 1026.52,448.48 JP6.2
SYNC_IN: JP6.3 R10.2 | length 960.4
  Bottom w6: R10.2 734.83,446.81 721.81,446.81 703,428 703,312 708,307 807,307 859,255 1062.91,255 1167,359.09 1167,419 1160,426 1111,426 1094,409 1075,409 1073,407 1017,407 1005.5,418.5 1005.5,437.5 JP6.3
SYNC_IN_INT: D7.1 IC4.2 R6.2 R10.1 Z3.1 | length 331.3
  Bottom w10: R10.1 775.53,405.78 D7.1 772.75,400.05 777.6,395.2 780.54,395.2 838.75,337 Z3.1@871.76,337 ; IC4.2@862,410.63 862,346.76 Z3.1@871.76,337 ; R6.2 905.63,365.7 895.55,355.62 895.55,346.76 885.78,337 Z3.1 Z3.1@871.76,337
SYNC_OUT: JP6.1 R9.2 | length 87.2
  Bottom w8: JP6.1@1064.5,456.53 R9.2@1128.06,456.53
  Bottom w16: JP6.1 1060,452.03 JP6.1@1064.5,456.53 ; R9.2@1126.1,454.56 R9.2@1128.06,456.53 ; R9.2 R9.2@1128.06,456.53 ; R9.2@1132,460.47 1130.03,458.5 R9.2@1128.06,456.53
SYNC_OUT_INT: D9.1 R9.1 U1.4 | length 178.9
  Bottom w6: U1.4 1041.75,296.79 1041.75,316.75 1052.25,327.25 D9.1 1115.25,327.25 1132,344 R9.1
V_BATT: C4.2 C9.2 C11.2 IC1.4 IC3.5 R6.1 U1.5 | length 1452.7
  Top w6: IC3.5 1088.41,703.18 1093.29,708.05 1094.49,708.05 1098,711.57 C9.2@1098,754.87
  Top w16: v1(459.47,81.14) 509.16,81.14 680.97,252.95 933.27,252.95 v1(953.87,273.55)
  Layer 3 w10: v1(953.87,273.55) 904,323.42 904,630.7 991.71,718.41 v1(1089.55,718.41)
  Bottom w10: R6.1 932,287 C11.2 983.53,283 986.41,285.88 U1.5
  Bottom w16: IC1.4 426.28,81.71 C4.2 457.53,79.74 458.93,81.14 v1(459.47,81.14)
VCC: C3.2 C10.2 C16.1 C17.1 C18.1 D2.1 IC4.5 IC5.2 IC5.3 IC5.8 IC6.2 IC6.3 IC6.4 IC6.8 J1.8 J4.8 L2.1 R7.1 R12.1 R13.1 R14.1 R15.1 U2.5 Z2.2 | length 2199.5
  Top w10: J1.8 114.17,114.17 114.17,289.17 137.99,312.99 197.83,312.99 236.22,351.38 236.22,541.34 R12.1@251.97,557.09 ; Z2.2 977.6,820.34 988.35,831.09 990.32,831.09 1020.23,861 1135,861 v1(1151,877)
  Top w16: R12.1@251.97,557.09 348.43,557.09 348.43,614.17 346.46,616.14 346.46,645.67 399.61,645.67 ; v2(346.46,720.47) 374.02,720.47 374.02,681.1 U2.5 399.61,645.67 ; v2(507.87,614.17) 476.38,645.67 399.61,645.67
  Bottom w10: J1.8 114.17,114.17 ; C10.2 887.59,524.7 IC4.5@887.59,484.17 ; IC4.5 IC4.5@887.59,484.17 ; R15.1 1091.29,563.85 1091.29,568.34 1089,570.63 IC6.2 IC6.3 IC6.4 984.09,622.36 984.09,588.09 932.3,536.3 R7.1 932.3,510.69 926.19,504.58 925.88,504.58 910.21,488.91 910.21,487.04 890.47,487.04 IC4.5@887.59,484.17 ; IC6.8 1140.66,842.39 C17.1
  Bottom w16: D2.1 251.09,87.61 C3.2 282.58,168.44 L2.1@270.77,180.25 ; IC5.3 IC5.2 286.97,720.47 v2(346.46,720.47) ; C18.1@472.44,616.14 505.91,616.14 v2(507.87,614.17) ; 484.69,616.14 484.69,669.09 IC5.8
  other v1: 871.76,492.66 1080.47,572.68
VIN: D1.1 J5.7 | length 330.1
  Bottom w10: 1202.59,202 1213.59,213 1288.57,213
  Bottom w16: D1.1 1202.59,202 ; 1288.57,213 J5.7
YA: C19.1 D12.2 J2.4 JP9.1 R20.2 | length 459.6
  Top w10: D12.2 651.58,539.02 J2.4 ; R20.2@636.84,770.29 605.34,738.8 605.34,691.55 636.55,660.36 C19.1@640.78,656.12
  Top w16: D12.2 630.93,646.28 C19.1@640.78,656.12
  Bottom w10: v1(651,553.91) 666.86,569.77 696.01,569.77 JP9.1
YA_J: JP9.2 R22.1 | length 81.6
  Bottom w16: R22.1@696.85,684.17 700.79,684.17 JP9.2
YB_J: JP7.1 R16.2 | length 81.6
  Bottom w16: JP7.1 606.3,684.17 R16.2@610.24,684.17
ZB: C12.2 D12.1 J2.3 JP7.2 R18.2 | length 466.8
  Top w10: C12.2@546.29,656.12 581.72,691.55 581.72,738.8 R18.2@550.23,770.29 ; J2.3 551.18,411.42 v1(551.18,535.43) 556.13,540.38 D12.1
  Top w16: C12.2@546.29,656.12 556.13,646.28 D12.1
  Bottom w10: v1(551.18,535.43) 590.3,574.55 JP7.2
pads on no net: FD1.1 FD2.1 FD3.1 FD4.1 FD5.1 FD6.1 FD7.1 FD8.1 IC1.3 IC1.5 IC4.1 J1.1 J1.2 J1.3 J1.4 J2.9 J2.10 J3.1 J3.2 J3.3 J3.4 J3.5 J3.6 J3.7 J4.1 J4.2 J4.3 J4.4 J4.5 J4.6 J4.7 J5.1 J5.2 J5.4 J5.5 J5.6 U1.1

## Polygon pours and split planes (outlines as drawn)
VCC on Layer 3 "VCC_L03_P002" (solid, remove dead copper, pour order 2): 1.87,1053.24 1404,1053.24 1404,0 1.87,0
GND on Layer 2 "GND_L02_P003" (solid, remove dead copper, pour order 3): 0,1050.91 0,0 1402.1,0 1402.1,1050.25
GND on Bottom "Polygon_1_Net_GND" (solid, remove dead copper, pour order 0): 1.87,1.87 1399.7,1.87 1399.7,1053.24 1.87,1053.24
GND on Top "Polygon_2_Net_GND" (solid, remove dead copper, pour order 1): -2.06,-2.06 1403.64,-2.06 1403.64,1057.18 -2.06,1057.18

## Keep-outs
Keep-Out Layer:
  the board outline again, w0

## Silkscreen, mask and mechanical layers (free items; w line width, h text height)
Top Overlay:
  drawing of 262 lines, arcs and shapes, not listed
  text "PWR - 6V to 36V" at 535.43,992.13 h27.2
  text "RS422" at 1228.35,986.52 h27.2
  text "P4" at 489.46,976.42 h27.2 r90
  text "TXO" at 441.46,949.23 h27.2 r90
  text "AIN - 0 to 5V or 4-20mA" at 535.43,944.88 h27.2
  text "RS485" at 1228.35,938.52 h27.2
  text "SYN - 0 to 5V I/O" at 535.43,897.64 h27.2
  text "Shield" at 1126.09,894.3 h27.2
  text "R2" at 1318,894 h27.2
  text "P5" at 489.46,881.93 h27.2 r90
  text "OpenMV" at 44,875 h26.35
  text "RXI" at 441.46,863.8 h27.2 r90
  text "RS422" at 493,647 h27.2 r90
  text "mA" at 1003.74,638.05 h27.2
  text "RS485" at 279.09,635.6 h27.2 r90
  text "YA/ZB" at 321.43,635.6 h27.2 r90
  text "Y/Z/A/B" at 532,628 h27.2 r90
  text "PWR" at 324.08,489.06 h25
  text "GND" at 422.5,489.06 h25
  text "ZB-" at 516.99,489.06 h25
  text "YA+" at 615.42,489.06 h25
  text "B-" at 729.59,489.06 h25
  text "A+" at 828.02,489.06 h25
  text "AIN" at 910.69,489.06 h25
  text "SYN" at 1009.12,489.06 h25
Bottom Overlay:
  drawing of 1318 lines, arcs and shapes, not listed
  text "RS422/RS485 Shield R2" at 692.91,992.13 h27.2
  text "https://openmv.io" at 692.91,944.88 h27.2
  text "8.21.23" at 614.17,897.64 h27.2
  text "OpenMV" at 1369.14,861.96 h26.35
  text "FSYNC" at 1259.23,659.32 h27.2
  text "P10" at 1191.25,611.32 h27.2
  text "TRM" at 523.62,551.18 h27.2 r270
  text "I" at 1074.8,511.81 h27.2
  text "O" at 1137.8,511.81 h27.2
  text "TRM" at 930.43,504.5 h27.2
  text "TRM" at 692.59,458.35 h27.2 r270
  text "TRM" at 794.46,456.32 h27.2 r270
  text "P6" at 220.47,389.76 h27.2 r270
  text "ADC" at 268.47,389.76 h27.2 r270
  text "VIN" at 1254.46,130.4 h27.2 r270
  text "RAW" at 243,122 h27.2 r270
  text "GND" at 228.35,23.62 h27.2 r270
  text "GND" at 1256.21,24.18 h27.2 r270